# KiCad board ASP-K8071.kicad_pcb (continued)
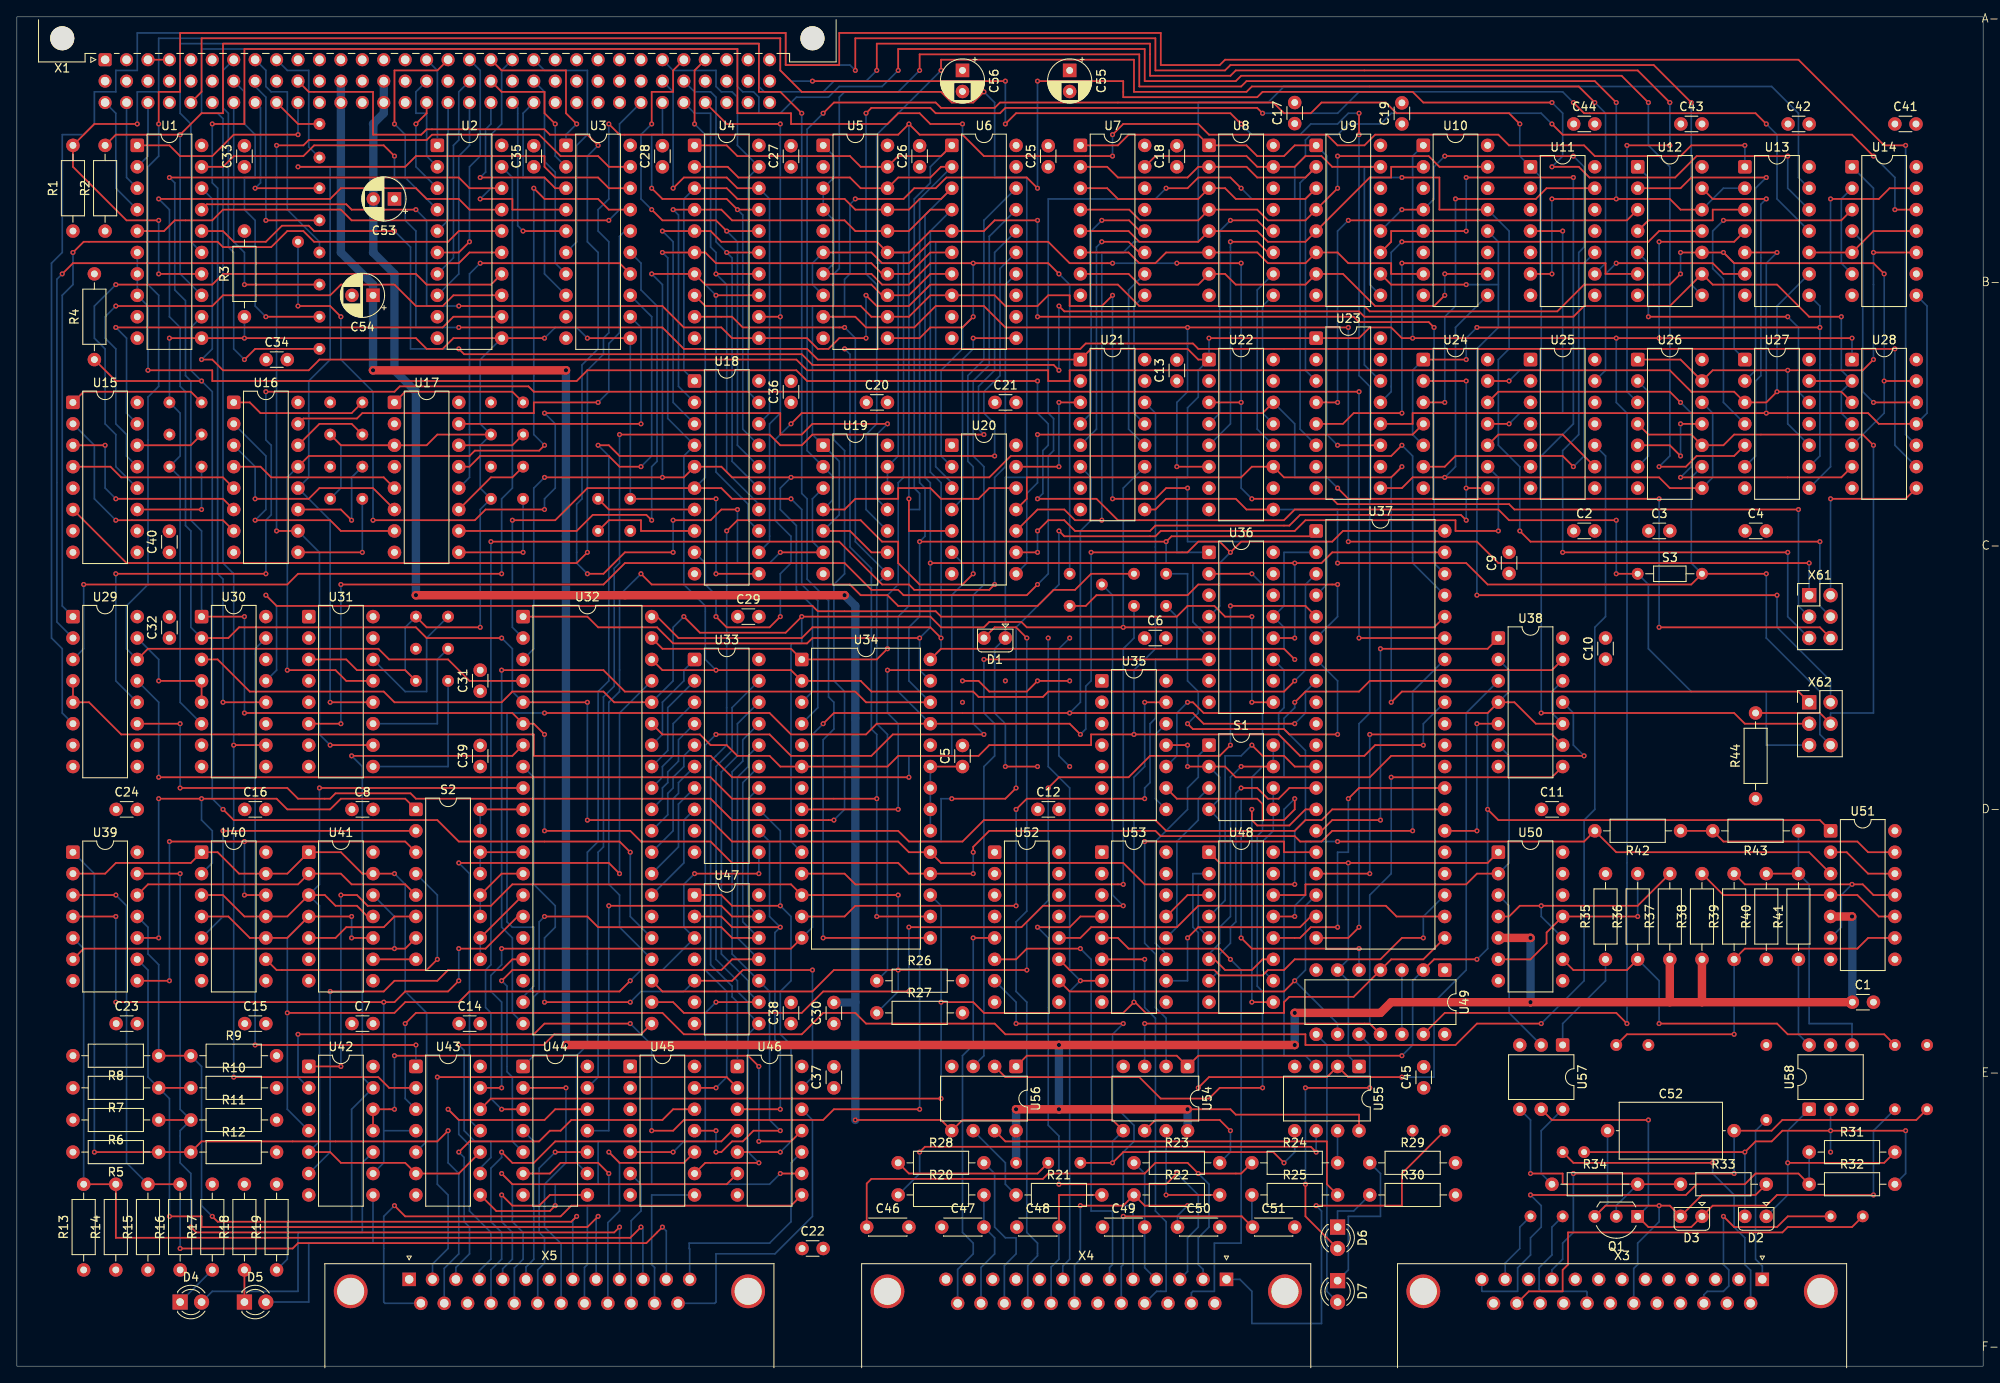
[diagram p0: board, top side]
## Routing (per net, layer and track width the routed paths; a pad name or vN(x,y) marks a point on that pad's centre or on a via; arc(x,y) is an arc through that point) (continued)
ADR3: length 97.7
  Top w0.2: v1(6.64,132.06) 7.91,133.33 23.79,133.33 24.42,132.69 30.14,132.69 32.05,134.6 33.95,134.6 35.22,133.33 51.09,133.33 52.36,134.6 U2.16
  Bottom w0.2: v1(6.64,132.06) 6.64,128.25 5.38,126.98 5.38,90.15 U29.1
ADR4: length 97.4
  Top w0.2: U2.15 53.64,132.06 52.36,130.79 6.64,130.79 v1(5.38,129.52)
  Bottom w0.2: v1(5.38,129.52) 4.74,128.88 4.74,88.24 U29.2
ADR5: length 74.6
  Top w0.2: v1(11.73,128.25) 23.16,128.25 24.42,129.52 47.28,129.52 48.55,128.25 56.18,128.25 U2.14
  Bottom w0.2: U15.12 11.73,106.66 11.73,110.47 10.45,111.74 10.45,120.63 9.19,121.9 9.19,125.71 v1(11.73,128.25)
ADR6: length 69.5
  Top w0.2: v1(11.73,125.71) 23.16,125.71 24.42,126.98 37.12,126.98 38.39,128.25 44.75,128.25 47.28,125.71 50.46,125.71 51.73,126.98 U2.13
  Bottom w0.2: v1(11.73,125.71) 10.45,124.44 10.45,121.9 11.73,120.63 11.73,111.74 12.99,110.47 12.99,107.93 U15.13
ADR7: length 58.7
  Top w0.2: v1(11.73,123.17) 50.46,123.17 51.73,124.44 U2.12
  Bottom w0.2: U15.15 12.99,113.01 12.99,121.9 v1(11.73,123.17)
ADR8: length 124.3
  Top w0.2: U3.19 70.14,142.22 68.88,143.49 64.43,143.49 61.89,146.03 49.19,146.03 48.55,145.39 34.58,145.39 33.95,144.76 v1(30.78,144.76) ; U16.10 v1(30.78,99.04) ; v1(37.12,73.64) U31.10
  Bottom w0.2: v1(37.12,73.64) 35.86,74.91 35.86,96.5 U16.10 ; v1(30.78,99.04) v1(30.78,144.76)
ADR9: length 117.8
  Top w0.2: U3.18 70.14,139.68 68.88,140.95 63.8,140.95 62.53,142.22 62.53,143.49 47.28,143.49 46.02,142.22 v1(33.31,142.22) ; v1(37.12,78.72) U31.12
  Bottom w0.2: v1(33.31,142.22) 37.12,142.22 37.12,119.36 34.58,116.82 34.58,105.39 U16.12 37.12,100.31 v1(37.12,78.72)
ADRA: length 109.1
  Top w0.2: U16.13 34.58,107.93 53.64,107.93 54.27,108.56 61.89,108.56 v1(62.53,109.2) ; v1(32.05,82.53) 37.76,82.53 39.03,81.26 U31.13 ; v1(61.25,139.68) 62.53,138.41 68.88,138.41 70.14,137.14 U3.17
  Bottom w0.2: v1(62.53,109.2) 61.25,110.47 v1(61.25,139.68) ; v1(32.05,82.53) 32.05,105.39 U16.13
ADRB: length 59.6
  Top w0.2: v1(68.88,114.28) 61.25,114.28 61.25,113.01 40.94,113.01 40.3,112.38 33.95,112.38 U16.15
  Bottom w0.2: U3.16 72.05,134.6 71.41,133.97 71.41,122.53 70.14,121.27 70.14,115.55 v1(68.88,114.28)
ADRC: length 57.2
  Top w0.2: v1(75.22,100.31) 74.59,100.94 68.24,100.94 66.33,99.04 U17.10
  Bottom w0.2: U3.15 73.95,130.8 73.95,127.61 75.86,125.71 75.86,107.3 75.22,106.66 v1(75.22,100.31)
ADRD: length 46
  Top w0.2: U3.14 71.42,130.79 v1(54.91,130.79)
  Bottom w0.2: v1(54.91,130.79) 53.64,129.52 53.64,105.39 U17.12
ADRE: length 44.5
  Top w0.2: v1(73.95,106.66) 71.41,106.66 70.14,107.93 54.91,107.93 53.64,106.66 U17.13
  Bottom w0.2: v1(73.95,106.66) 75.22,107.93 75.22,124.44 U3.13
ADRF: length 34.8
  Top w0.2: U17.15 v1(73.95,111.74)
  Bottom w0.2: U3.12 73.95,123.17 v1(73.95,111.74)
C52P2: length 61.6
  Top w0.2: C52.2 207.94,27.92 209.21,29.19 225.09,29.19 X101.1 ; v1(184.44,22.84) v1(203.5,22.84)
  Bottom w0.2: X3.10 181.91,11.41 183.18,12.68 183.18,14.59 184.44,15.85 v1(184.44,22.84) ; C52.2 v1(203.5,22.84)
CTC_CS: length 313.9
  Top w0.2: v1(101.9,53.32) U34.16 ; v1(222.54,120.63) 140,120.63 139.36,121.27 126.66,121.27 126.03,120.63 v1(98.09,120.63) ; v1(101.9,67.29) 84.75,67.29 82.21,69.83 v1(16.8,69.83)
  Bottom w0.2: U28.9 222.54,109.2 v1(222.54,120.63) ; v1(98.09,120.63) 98.72,119.99 98.72,97.13 101.26,94.59 101.26,75.55 101.9,74.91 v1(101.9,67.29) v1(101.9,53.32) ; U29.13 16.8,78.72 v1(16.8,69.83)
D1A: length 87.1
  Top w0.2: v1(119.68,86.34) 118.41,87.61 115.87,87.61 D1.2
  Bottom w0.2: v1(119.68,86.34) 119.68,53.95 118.41,52.69 118.41,44.43 119.68,43.16 119.68,15.85 120.94,14.59 120.94,13.09 119.79,11.93 X4.22
D1K: length 198.5
  Top w0.2: v1(117.13,71.1) v1(120.94,71.1) ; v1(114.59,151.11) 113.32,149.84 110.78,149.84 109.51,151.11 93,151.11 90.47,153.65 90.47,157.46 21.89,157.46 21.89,151.11 X1.c5
  Bottom w0.2: v1(114.59,151.11) 115.87,149.84 115.87,140.95 119.68,140.95 119.68,105.39 117.13,105.39 D1.1 115.87,85.07 115.87,77.45 117.13,76.18 v1(117.13,71.1)
D2A: length 58.7
  Top w0.2: X109.1 v1(204.76,25.38) 206.03,26.65 207.94,26.65 209.21,27.92 v1(223.82,27.92)
  Bottom w0.2: U58.2 v1(214.92,27.92) v1(214.92,25.38) ; v1(223.82,27.92) 223.82,22.84 R32.2 ; D2.2 v1(204.76,25.38)
D2K: length 28
  Top w0.2: R31.2 221.28,24.11 v1(209.84,24.11)
  Bottom w0.2: U58.1 209.84,27.92 v1(209.84,24.11) 209.84,20.3 D2.1
DAT0: length 289.1
  Top w0.2: U6.1 109.52,143.49 104.44,143.49 104.44,143.49 103.17,142.22 99.99,142.22 98.72,143.49 85.38,143.49 84.12,144.76 U4.1 ; v1(62.53,77.45) 89.19,77.45 91.73,74.91 100.62,74.91 101.9,76.18 U34.25 124.75,76.18 v1(126.03,74.91) ; v1(127.29,96.5) 138.72,96.5 140,97.77 142.53,97.77 v1(143.81,96.5) 145.07,97.77 155.87,97.77 157.14,99.04 U37.40
  Bottom w0.2: v1(126.03,74.91) 126.66,75.55 126.66,80.62 127.29,81.26 v1(127.29,96.5) ; U6.1 110.78,144.76 108.25,142.22 108.25,140.31 106.34,138.41 106.34,104.12 106.97,103.48 106.97,101.58 105.71,101.58 105.71,90.15 104.44,88.88 104.44,79.99 U34.25 ; U32.19 59.98,43.79 61.25,45.06 61.25,52.05 58.72,52.05 58.08,52.69 58.08,77.45 v1(62.53,77.45) ; U36.4 142.53,90.15 142.53,95.23 v1(143.81,96.5)
DAT1: length 258
  Top w0.2: v1(57.44,82.53) 69.51,82.53 72.05,79.99 99.35,79.99 100.62,78.72 U34.26 ; U37.1 153.33,98.41 136.82,98.41 v1(136.19,97.77) v1(106.97,97.77) ; U4.2 84.23,142.22 85.5,140.95 98.72,140.95 99.99,139.68 103.17,139.68 103.17,139.69 104.44,140.95 108.25,140.95 109.51,142.22 U6.2
  Bottom w0.2: U34.26 105.71,81.26 105.71,87.61 106.97,88.88 v1(106.97,97.77) 107.61,98.41 107.61,104.12 106.97,104.75 106.97,138.41 U6.2 ; U36.5 139.36,88.24 139.36,95.23 136.19,95.23 v1(136.19,97.77) ; U32.20 58.72,41.89 58.72,50.78 57.44,52.05 v1(57.44,82.53)
DAT2: length 239
  Top w0.2: v1(151.43,86.34) U36.12 ; U6.3 109.52,138.41 106.97,138.41 105.71,137.14 99.35,137.14 98.09,138.41 85.38,138.41 84.12,139.68 U4.3 ; U37.39 155.87,96.5 154.6,95.23 v1(151.43,95.23) v1(108.25,95.23) ; U32.1 67.61,88.88 68.88,87.61 75.86,87.61 77.77,85.7 93.64,85.7 94.28,86.34 v1(106.97,86.34)
  Bottom w0.2: U34.27 106.97,82.53 v1(106.97,86.34) 108.25,87.61 v1(108.25,95.23) 108.25,104.75 107.61,105.39 107.61,136.5 107.62,136.5 U6.3 ; v1(151.43,95.23) v1(151.43,86.34) ; U4.3 79.04,138.41 79.03,138.41 79.03,118.09 U18.1
DAT3: length 213.2
  Top w0.2: v1(109.51,86.34) 108.25,87.61 94.28,87.61 93,86.34 78.4,86.34 75.86,88.88 U32.40 ; v1(151.43,83.8) 150.16,85.07 109.51,85.07 U34.28 ; v1(77.77,137.14) U4.4 83.48,137.14 84.75,135.87 98.09,135.87 99.35,134.6 105.71,134.6 108.25,137.14 U6.4
  Bottom w0.2: U34.28 109.51,85.07 v1(109.51,86.34) 109.51,104.75 108.25,106.02 108.25,134.59 U6.4 ; U18.2 78.4,116.19 78.4,136.5 v1(77.77,137.14) ; v1(151.43,83.8) 150.16,85.07 150.16,87.61 U36.13 150.16,90.15 150.16,96.5 U37.2
DAT4: length 239.4
  Top w0.2: v1(120.94,124.44) 158.41,124.44 159.04,123.8 167.3,123.8 v1(167.94,123.17) ; v1(120.94,135.87) 115.87,135.87 114.59,134.6 U6.5 108.25,134.6 105.71,132.06 103.17,132.06 101.9,133.33 83.48,133.33 82.21,134.6 U4.5 v1(76.5,134.6) ; v1(103.16,85.07) 101.9,83.8 U34.1 91.73,85.07 76.5,85.07 U32.39
  Bottom w0.2: v1(103.16,85.07) 103.16,91.42 104.44,92.69 104.44,104.75 105.07,105.39 105.07,132.06 103.17,132.06 ; U37.38 167.94,95.23 v1(167.94,123.17) ; U18.3 77.77,114.28 77.77,133.33 v1(76.5,134.6) ; v1(120.94,124.44) v1(120.94,135.87)
DAT5: length 182.2
  Top w0.2: U6.6 108.25,132.06 105.71,129.52 102.53,129.52 101.26,130.79 82.84,130.79 81.58,132.06 U4.6 v1(76.5,132.06) ; v1(151.43,81.26) 150.16,79.99 122.22,79.99 121.58,79.35 113.96,79.35 113.32,79.99 101.26,79.99 99.99,81.26 U34.2 91.73,82.53 v1(82.84,82.53) 76.5,82.53 U32.38
  Bottom w0.2: U37.3 152.69,92.69 152.69,82.53 v1(151.43,81.26) ; v1(76.5,132.06) 77.13,131.43 77.13,112.38 U18.4 79.03,107.93 79.03,92.69 81.58,90.15 81.58,83.8 v1(82.84,82.53)
DAT6: length 238.4
  Top w0.2: v1(164.12,109.2) 162.85,107.93 117.77,107.93 115.23,105.39 v1(91.73,105.39) 84.75,105.39 83.48,106.66 U18.5 79.03,105.39 v1(76.5,105.39) v1(62.53,105.39) ; v1(75.22,129.52) U4.7 81.58,128.25 101.26,128.25 102.53,126.98 105.71,126.98 108.25,129.52 U6.7
  Bottom w0.2: v1(75.22,129.52) 76.5,128.25 v1(76.5,105.39) ; U37.37 165.4,95.23 165.4,107.93 v1(164.12,109.2) ; U34.3 94.28,79.99 94.28,90.15 92.37,92.05 92.37,99.67 90.47,101.58 90.47,104.12 v1(91.73,105.39) ; U32.3 61.25,85.07 61.25,104.12 v1(62.53,105.39)
DAT7: length 220.1
  Top w0.2: v1(129.84,102.85) 134.91,102.85 136.19,104.12 v1(138.72,104.12) ; v1(129.84,126.98) 128.56,125.71 124.75,125.71 124.75,126.98 122.22,126.98 120.94,125.71 117.13,125.71 115.87,126.98 U6.8 108.25,126.98 105.71,124.44 105.7,124.44 103.18,124.44 103.17,124.44 101.26,124.44 99.99,125.71 81.58,125.71 U4.8 ; v1(58.72,100.31) 63.8,100.31 67.61,104.12 U18.6 83.48,104.12 84.75,102.85 v1(91.73,102.85)
  Bottom w0.2: v1(129.84,102.85) v1(129.84,126.98) ; U37.4 155.23,92.69 155.23,97.77 138.72,97.77 v1(138.72,104.12) ; v1(58.72,100.31) 58.72,87.61 U32.2 ; U4.8 81.58,125.72 81.58,105.39 U18.6 ; v1(91.73,102.85) 93,101.58 93,92.69 94.91,90.78 94.91,78.08 U34.4
H1: length 247.6
  Top w0.2: X142.1 v1(82.84,102.85) ; X157.1 49.83,110.47 48.55,109.2 U17.3 38.39,109.2 X177.1 ; U31.3 39.03,83.8 40.3,82.53 46.02,82.53 X164.1 ; v1(18.07,121.9) U1.11 v1(26.97,121.9) 47.28,121.9 48.55,120.63 50.46,120.63 51.73,121.9 U2.11 v1(62.53,121.9) ; v1(82.84,93.96) U18.11 ; v1(54.91,87.61) 48.55,87.61 X166.1 ; v1(67.61,121.9) U3.11
  Bottom w0.2: U30.6 19.34,78.72 19.34,105.39 X194.1 19.34,107.93 19.34,113.01 X196.1 v1(18.07,121.9) ; U3.11 72.69,102.85 X142.1 ; v1(62.53,121.9) 63.8,123.17 66.33,123.17 v1(67.61,121.9) ; X177.1 38.39,109.2 38.39,104.12 X175.1 ; R3.1 v1(26.97,121.9) ; X164.1 46.02,82.53 46.02,87.61 X166.1 ; v1(54.91,87.61) 54.91,101.58 X155.1 54.91,104.12 54.91,109.2 X157.1 54.91,111.74 54.91,119.35 U2.11 ; v1(82.84,102.85) v1(82.84,93.96)
PIO_CS: length 384.3
  Top w0.2: v1(223.82,144.76) 221.28,144.76 211.12,154.92 143.17,154.92 142.53,154.28 135.55,154.28 135.55,158.09 97.45,158.09 97.45,154.28 91.1,154.28 91.1,158.09 19.34,158.09 19.34,151.11 16.8,151.11 v1(16.8,147.3) ; U29.14 15.53,85.07 42.84,85.07 44.11,83.8 51.09,83.8 53.64,81.26 U32.4
  Bottom w0.2: U28.10 223.82,110.47 v1(223.82,144.76) ; v1(16.8,147.3) 16.8,143.49 15.53,142.22 15.53,128.25 16.8,126.98 16.8,116.19 15.53,114.91 15.53,92.69 12.99,90.15 12.99,85.07 U29.14
Q1B: length 32.1
  Top w0.2: R33.1 R34.2 183.18,21.57 183.18,22.84 v1(179.37,22.84)
  Bottom w0.2: U57.4 179.37,29.19 v1(179.37,22.84) ; R34.2 189.53,19.03 Q1.2
Q1C: length 66.4
  Top w0.2: v1(193.34,29.19) 181.91,29.19 U57.5 ; v1(220.01,20.3) 208.57,20.3 207.31,19.03 200.96,19.03 D3.1 198.41,16.49 193.34,16.49 Q1.1
  Bottom w0.2: v1(220.01,20.3) 220.01,27.92 X103.1 ; Q1.1 193.34,19.03 v1(193.34,29.19)
Q1E: length 46.6
  Top w0.2: R33.2 206.03,20.3 199.69,20.3 D3.2 195.88,19.03 v1(194.6,19.03) 188.25,19.03 Q1.3
  Bottom w0.2: C52.1 188.5,19.27 Q1.3 ; v1(194.6,19.03) 194.6,17.12 192.06,14.59 192.06,12.04 191.6,11.58 X3.19
R20P2: length 14
  Bottom w0.2: R20.2 C47.2 115.87,15.22 115.87,13.31 114.25,11.7 X4.24
R21P2: length 18.3
  Top w0.2: C48.2 123.48,20.3 R21.2
  Bottom w0.2: X4.21 122.56,11.75 123.48,12.68 C48.2
R22P1: length 28.7
  Top w0.2: v1(126.03,19.03) 131.1,19.03 R22.1 133.65,19.03 v1(138.72,19.03)
  Bottom w0.2: X4.20 125.33,11.98 126.03,12.68 v1(126.03,19.03) ; v1(138.72,19.03) 137.53,17.84 C50.1
R23P2: length 14.9
  Bottom w0.2: R23.1 133.65,22.84 C49.2 133.65,11.67 X4.4
R24P2: length 66.7
  Top w0.2: R24.1 145.07,22.84 v1(140,22.84) 138.72,24.11 134.91,24.11 133.65,22.84 122.22,22.84 121.58,22.2 101.26,22.2 100.71,21.65 C46.1
  Bottom w0.2: X4.2 140.56,11.47 140,12.04 140,15.22 141.26,16.49 141.26,21.57 v1(140,22.84)
R25P2: length 30.1
  Top w0.2: v1(131.1,17.76) 145.16,17.76 C51.1
  Bottom w0.2: v1(131.1,17.76) 131.1,12.04 130.87,11.81 X4.18 ; R25.1 146.34,16.57 C51.1
R28P1: length 18.8
  Top w0.2: X132.1 120.94,22.84 105.71,22.84 R28.1
R28P2: length 19.6
  Bottom w0.2: X4.23 117.02,11.93 118.41,13.31 118.41,15.22 117.13,15.22 115.87,16.49 115.87,22.84 R28.2
R31P1: length 57.2
  Top w0.2: R32.1 211.12,22.84 206.03,22.84 204.76,21.57 199.05,21.57 197.78,20.3 v1(179.37,20.3)
  Bottom w0.2: X3.13 173.59,8.92 173.65,8.87 177.84,8.87 177.84,11.66 179.37,13.19 179.37,15.22 180.63,16.49 180.63,19.03 v1(179.37,20.3) ; R32.1 R31.1
R34P1: length 10.5
  Bottom w0.2: R34.1 180.63,22.84 180.63,27.92 U57.6
R39P1: length 43.5
  Top w0.2: X107.1 190.79,39.35 v1(203.5,39.35) ; R39.1 204.76,49.51 218.1,49.51 219.37,50.78 U51.9
  Bottom w0.2: v1(203.5,39.35) R39.1
R41P2: length 10.7
  Bottom w0.2: R41.1 211.12,39.35 U58.6
R43P1: length 34.8
  Top w0.2: R40.2 R41.2
  Bottom w0.2: U58.4 217.47,40.62 212.39,40.62 212.39,57.13 R41.2 R43.1
SIO_CS: length 225.6
  Top w0.2: v1(159.04,86.34) U37.35 ; v1(29.5,115.55) 44.75,115.55 45.38,116.19 60.62,116.19 61.25,115.55 v1(159.04,115.55) ; v1(11.73,93.96) v1(29.5,93.96)
  Bottom w0.2: v1(29.5,93.96) 29.5,100.31 30.14,100.94 30.14,109.2 29.5,109.83 v1(29.5,115.55) ; v1(11.73,93.96) 11.73,81.26 U29.12 ; v1(159.04,115.55) v1(159.04,86.34)
U1B1: length 239.2
  Top w0.2: U28.3 216.2,115.55 v1(208.57,115.55) 207.31,114.28 U27.3 203.5,115.55 198.41,115.55 195.88,118.09 124.75,118.09 124.75,116.82 122.22,116.82 122.22,118.09 93.64,118.09 92.37,119.36 35.86,119.36 34.58,118.09 24.42,118.09 23.16,119.36 v1(21.89,119.36)
  Bottom w0.2: v1(21.89,119.36) 23.16,120.63 23.16,138.41 U1.18 ; v1(208.57,115.55) 208.57,125.71 U13.9
U1B2: length 266.1
  Top w0.2: v1(100.62,126.98) 101.9,125.71 105.71,125.71 108.25,128.25 130.47,128.25 133.01,125.71 159.68,125.71 160.31,125.08 182.54,125.08 185.72,128.25 195.88,128.25 v1(197.15,129.52) ; v1(197.15,132.06) U12.10 v1(202.22,132.06) 203.5,130.79 220.01,130.79 v1(221.28,129.52) ; v1(221.28,116.82) U28.13 ; v1(100.62,121.9) 97.45,121.9 96.18,120.63 94.91,120.63 93.64,121.9 U4.11 84.75,121.9 83.48,123.17 79.03,123.17 76.5,125.71 v1(52.36,125.71) ; v1(47.28,137.14) 39.66,137.14 39.03,137.77 22.52,137.77 21.89,137.14 U1.17
  Bottom w0.2: v1(100.62,121.9) v1(100.62,126.98) ; v1(52.36,125.71) 48.55,125.71 48.55,135.87 v1(47.28,137.14) ; v1(197.15,132.06) v1(197.15,129.52) ; v1(221.28,129.52) v1(221.28,116.82) 221.28,113.01 U28.5 ; U27.1 203.5,120.63 203.5,130.79 v1(202.22,132.06)
U1B3: length 241.5
  Top w0.2: U27.13 U28.2 ; v1(123.48,118.09) 122.85,118.72 94.28,118.72 93,119.99 53,119.99 v1(52.36,120.63) ; v1(123.48,125.71) 124.12,125.08 159.04,125.08 159.68,124.44 184.44,124.44 185.72,125.71 195.88,125.71 U12.9 200.96,128.25 208.57,128.25 212.39,124.44 v1(216.2,124.44) ; v1(44.75,134.6) 35.22,134.6 34.58,135.24 31.41,135.24 29.5,133.33 25.69,133.33 24.42,134.6 U1.16
  Bottom w0.2: v1(216.2,124.44) 216.2,118.09 U28.2 216.2,115.55 216.2,113.01 U28.4 ; v1(123.48,118.09) v1(123.48,125.71) ; v1(52.36,120.63) 46.65,120.63 46.65,132.69 v1(44.75,134.6)
U1B4: length 258.7
  Top w0.2: v1(195.88,149.84) 192.06,153.65 144.44,153.65 143.81,153.01 134.28,153.01 134.28,156.82 101.9,156.82 v1(101.9,153.65) ; v1(195.88,144.76) v1(190.79,144.76)
  Bottom w0.2: U26.3 190.79,115.55 v1(190.79,144.76) ; U1.15 20.62,133.33 20.61,133.33 20.61,147.3 19.34,148.57 19.34,156.82 87.93,156.82 87.93,151.75 88.56,151.11 95.54,151.11 96.81,152.38 100.62,152.38 v1(101.9,153.65) ; v1(195.88,149.84) v1(195.88,144.76)
U1B5: length 305.6
  Top w0.2: v1(159.04,52.05) 157.78,50.78 U37.20 ; U1.14 v1(16.8,129.52) ; v1(117.13,147.3) 118.41,148.57 143.81,148.57 v1(145.07,147.3) ; v1(94.28,152.38) v1(117.13,152.38) ; v1(14.27,147.3) 9.19,147.3 R1.2 6.64,142.22 12.99,135.87 v1(16.8,135.87) ; v1(159.04,148.57) v1(159.04,146.03)
  Bottom w0.2: v1(117.13,152.38) v1(117.13,147.3) ; v1(145.07,147.3) 146.34,146.03 152.06,146.03 153.33,147.3 156.5,147.3 157.78,148.57 v1(159.04,148.57) ; v1(159.04,52.05) 159.04,76.18 160.31,77.45 160.31,116.19 159.04,117.45 v1(159.04,146.03) ; v1(94.28,152.38) 91.73,152.38 90.47,153.65 90.47,157.46 16.8,157.46 16.8,151.11 14.27,151.11 v1(14.27,147.3) ; v1(16.8,129.52) v1(16.8,135.87)
U1B6: length 231.9
  Top w0.2: R2.2 11.73,146.03 v1(19.34,146.03) 21.89,148.57 24.42,148.57 24.42,156.82 87.93,156.82 87.93,151.11 90.47,151.11 v1(93,148.57) ; v1(95.54,50.78) U34.15
  Bottom w0.2: v1(19.34,146.03) 19.34,129.52 19.35,129.52 U1.13 ; v1(93,148.57) 93,103.48 93.64,102.85 93.64,93.33 96.18,90.78 96.18,79.35 96.81,78.72 96.81,75.55 95.54,74.27 v1(95.54,50.78)
U1B7: length 135.9
  Top w0.2: v1(21.89,116.82) 11.73,116.82 R4.1 ; v1(72.69,60.94) 71.41,62.21 52.36,62.21 49.83,64.75 25.69,64.75 v1(24.42,66.02)
  Bottom w0.2: v1(72.69,60.94) 72.69,53.32 U32.25 ; U1.12 20.62,123.17 20.61,123.17 20.61,118.09 v1(21.89,116.82) 23.16,115.55 23.16,67.29 v1(24.42,66.02)
U1CLK: length 119.9
  Top w0.2: U22.9 145.71,101.58 144.44,102.85 136.19,102.85 134.91,101.58 U21.9 ; v1(207.31,93.96) S3.2 198.41,92.69 174.28,92.69 171.75,95.23 v1(156.5,95.23)
  Bottom w0.2: v1(156.5,95.23) 156.5,101.58 U22.9 ; S3.2 198.41,95.23 198.41,105.39 U26.9 ; X62.6 213.66,74.91 213.66,79.99 207.31,86.34 v1(207.31,93.96)
U1CLK2: length 253.7
  Top w0.2: v1(120.94,116.82) 93.64,116.82 92.37,118.09 67.61,118.09 66.33,116.82 23.16,116.82 23.16,118.09 v1(15.53,118.09) ; v1(120.94,102.85) 127.93,102.85 130.47,100.31 150.16,100.31 151.43,101.58 175.56,101.58 176.82,100.31 v1(189.53,100.31) ; v1(189.53,93.96) S3.1
  Bottom w0.2: v1(120.94,102.85) 121.58,103.48 121.58,108.56 122.22,109.2 122.22,111.74 120.94,113.01 v1(120.94,116.82) ; U1.6 U1.8 15.53,125.72 v1(15.53,118.09) ; X62.5 207.31,73.64 207.31,79.99 198.41,79.99 193.34,85.07 193.34,92.69 S3.1 ; v1(189.53,100.31) v1(189.53,93.96)
U4CS: length 99.5
  Top w0.2: U4.9 84.75,124.44 86.02,123.17 v1(98.09,123.17)
  Bottom w0.2: R26.1 103.16,46.97 103.16,74.91 101.9,76.18 101.9,92.69 U19.8 99.35,97.77 99.35,121.9 v1(98.09,123.17)
U5CS: length 170.6
  Top w0.2: v1(157.78,123.17) v1(138.72,123.17) 117.13,123.17 114.59,125.71 108.88,125.71 106.34,123.17 100.62,123.17 99.35,124.44 U5.9 ; v1(137.46,106.66) U22.6 ; v1(157.78,97.77) 173.01,97.77 175.56,95.23 v1(212.39,95.23)
  Bottom w0.2: v1(212.39,95.23) X61.1 ; v1(138.72,123.17) 138.72,115.55 137.46,114.28 v1(137.46,106.66) ; v1(157.78,123.17) v1(157.78,97.77)
U5I5: length 169.1
  Top w0.2: v1(137.46,130.79) v1(145.07,130.79) ; v1(129.84,130.79) 124.75,130.79 122.22,133.33 108.25,133.33 105.71,130.79 102.53,130.79 101.26,132.06 U5.6 ; v1(211.12,101.58) 177.46,101.58 176.82,102.22 156.5,102.22 155.87,102.85 v1(146.34,102.85) ; v1(145.07,114.28) U22.3
  Bottom w0.2: v1(145.07,130.79) v1(145.07,114.28) 145.07,104.12 v1(146.34,102.85) ; v1(211.12,101.58) 211.12,90.15 X61.3 ; U5.6 94.28,130.78 94.28,128.25 94.28,128.25 U5.8 ; v1(129.84,130.79) v1(137.46,130.79)
U7A0: length 46.6
  Top w0.2: U7.5 131.74,134.6 133.01,133.33 140,133.33 U8.5 146.98,134.6 148.25,133.33 152.69,133.33 U9.5 160.31,140.95 162.85,140.95 162.85,142.22 U10.2
U7A1: length 44.5
  Top w0.2: U10.7 162.85,129.52 162.85,130.79 157.78,130.79 156.5,132.06 U9.6 152.69,130.79 148.25,130.79 146.98,132.06 U8.6 136.19,132.06 134.91,130.79 133.01,130.79 131.74,132.06 U7.6
U7A2: length 55
  Top w0.2: v1(169.21,126.98) 167.94,125.71 160.95,125.71 157.14,129.52 U9.7 152.69,128.25 144.44,128.25 143.17,129.52 U8.7 140,128.25 133.01,128.25 131.74,129.52 U7.7 ; v1(169.21,129.52) U10.10
  Bottom w0.2: v1(169.21,126.98) v1(169.21,129.52)
U7A3: length 55.7
  Top w0.2: U7.4 131.81,137.14 133.08,135.87 140,135.87 U8.4 146.98,137.14 148.25,135.87 152.69,135.87 U9.4 v1(156.5,139.68) ; v1(156.5,143.49) 167.3,143.49 168.57,142.22 U10.15
  Bottom w0.2: v1(156.5,139.68) v1(156.5,143.49)
U7A4: length 54
  Top w0.2: U7.3 129.2,139.68 130.47,138.41 140,138.41 U8.3 143.17,139.68 144.44,138.41 152.69,138.41 U9.3
  Bottom w0.2: U23.3 152.69,118.09 152.69,138.41 U9.3
U7A5: length 64.6
  Top w0.2: U9.2 152.69,140.95 146.98,140.95 145.71,142.22 U8.2 140,142.22 138.72,140.95 130.47,140.95 129.2,142.22 U7.2
  Bottom w0.2: U23.6 152.06,111.1 152.06,140.31 U9.2
U7A6: length 71.7
  Top w0.2: v1(156.5,109.2) U23.11 ; U9.1 151.43,144.76 150.16,143.49 146.98,143.49 145.71,144.76 U8.1 140,146.03 131.74,146.03 130.47,144.76 U7.1
  Bottom w0.2: v1(156.5,109.2) 155.23,110.47 155.23,143.49 U9.1
U7A7: length 58.1
  Top w0.2: U9.15 155.87,142.22 154.6,143.49 152.69,143.49 151.43,142.22 U8.15 146.98,142.22 145.71,143.49 134.91,143.49 134.91,143.49 U7.15
  Bottom w0.2: U23.14 159.68,118.72 159.68,142.22 U9.15
U10C: length 74.1
  Top w0.2: U23.9 164.12,104.12 165.4,105.39 v1(169.21,105.39) 194.6,105.39 195.88,104.12 U26.8
  Bottom w0.2: U26.8 200.96,105.39 200.96,113.01 U26.12 ; U10.9 170.47,123.17 170.47,106.66 v1(169.21,105.39)
U10D1: length 115.2
  Top w0.2: v1(164.12,137.14) U10.4 ; v1(183.18,96.5) v1(209.84,96.5) ; v1(169.21,143.49) v1(184.44,143.49)
  Bottom w0.2: v1(209.84,96.5) 209.84,88.88 X61.5 ; U10.4 167.94,138.41 167.94,142.22 v1(169.21,143.49) ; U9.12 v1(164.12,137.14) ; v1(184.44,143.49) 185.72,142.22 185.72,132.69 185.08,132.06 185.08,110.47 183.18,108.56 v1(183.18,96.5)
U10D2: length 128.4
  Top w0.2: v1(171.75,140.95) v1(184.44,140.95) ; U9.11 162.85,133.33 162.85,134.6 U10.5 v1(171.75,134.6) ; X62.3 204.76,76.18 203.5,77.45 v1(180.63,77.45)
  Bottom w0.2: v1(180.63,77.45) 180.63,107.93 184.44,111.74 v1(184.44,140.95) ; v1(171.75,134.6) v1(171.75,140.95)
U10D3: length 110.1
  Top w0.2: v1(173.01,91.42) v1(208.57,91.42) ; U9.10 162.85,128.25 v1(171.75,128.25)
  Bottom w0.2: v1(208.57,91.42) 208.57,87.61 214.92,81.26 X62.2 ; 175.56,128.25 175.56,133.33 U10.12 ; 175.56,128.25 v1(171.75,128.25) ; 175.56,128.25 175.56,123.17 173.01,120.63 v1(173.01,91.42)
U10D4: length 118.5
  Top w0.2: v1(213.66,97.77) 179.37,97.77 v1(178.09,99.04) ; U10.13 168.57,137.14 168.57,140.95 v1(164.12,140.95)
  Bottom w0.2: v1(213.66,97.77) 213.66,90.15 X61.4 ; v1(178.09,99.04) 178.09,106.66 175.56,109.2 175.56,119.36 176.82,120.63 176.82,134.6 U10.13 ; U9.9 160.31,128.25 160.31,140.95 v1(164.12,140.95)
U11AQN: length 212.7
  Top w0.2: v1(189.53,149.84) 186.98,152.38 145.71,152.38 145.07,151.75 133.01,151.75 133.01,155.56 106.97,155.56 v1(106.97,153.65) ; U19.9 101.26,96.5 98.72,99.04 U19.5 ; v1(181.91,138.41) v1(189.53,138.41) 195.88,138.41 197.15,137.14 U12.12 ; U11.6 v1(181.91,129.52)
  Bottom w0.2: v1(189.53,149.84) v1(189.53,138.41) ; U12.12 202.22,139.68 U13.2 ; v1(106.97,153.65) 104.44,151.11 98.09,151.11 97.45,150.47 97.45,130.16 96.81,129.52 96.81,125.71 94.28,125.71 94.28,110.47 U19.1 97.45,107.3 97.45,100.94 U19.5 ; v1(181.91,138.41) v1(181.91,129.52)
U11AR: length 198
  Top w0.2: v1(178.09,147.3) 176.82,148.57 163.49,148.57 162.22,149.84 154.6,149.84 153.33,148.57 150.16,148.57 148.88,149.84 116.5,149.84 115.87,149.2 109.51,149.2 108.88,149.84 96.81,149.84 v1(95.54,148.57) ; U19.4 98.09,101.58 99.35,102.85 104.44,102.85 104.44,104.12 108.25,104.12 109.51,102.85 113.96,102.85 115.23,104.12 U20.12 ; U24.13 v1(176.82,116.82)
  Bottom w0.2: v1(95.54,148.57) 93.64,146.66 93.64,108.56 U19.2 96.65,105.56 96.65,102.68 U19.4 ; v1(176.82,116.82) 178.09,118.09 180.63,118.09 180.63,140.95 U11.1 178.09,143.49 v1(178.09,147.3)
U11BS: length 45.3
  Top w0.2: U24.6 169.21,106.66 170.47,107.93 183.18,107.93 v1(184.44,106.66)
  Bottom w0.2: v1(184.44,106.66) 185.72,107.93 185.72,130.79 U11.10
U12BQ: length 57.7
  Top w0.2: U12.6 188.25,129.52 188.25,130.79 v1(164.12,130.79) ; U23.5 157.14,111.74 158.41,113.01 v1(164.12,113.01)
  Bottom w0.2: v1(164.12,130.79) v1(164.12,113.01)
U13AQ: length 23.2
  Top w0.2: U13.3 200.96,137.14 200.96,135.87 193.34,135.87 U12.4
  Bottom w0.2: U12.1 193.34,140.95 193.34,135.87 U12.4
U13BQ: length 30.8
  Top w0.2: v1(189.53,130.79) 200.96,130.79 202.22,129.52 U13.6
  Bottom w0.2: U25.13 188.25,118.09 188.25,129.52 v1(189.53,130.79)
U13CQ: length 82.6
  Top w0.2: v1(213.66,123.17) v1(173.01,123.17) ; v1(171.75,119.36) U24.1
  Bottom w0.2: U24.5 165.4,110.47 165.4,118.09 U24.1 ; v1(171.75,119.36) 171.75,121.9 v1(173.01,123.17) ; U13.8 213.66,125.71 v1(213.66,123.17) 213.66,107.93 U27.9
U13I2: length 154.6
  Top w0.2: U20.10 120.94,101.58 124.12,101.58 125.39,100.31 v1(128.56,100.31)
  Bottom w0.2: v1(128.56,100.31) 128.56,132.06 131.1,132.06 132.38,133.33 140,133.33 140,149.84 148.25,149.84 150.16,151.75 207.94,151.75 211.12,148.57 211.12,140.95 U13.13
U14AC: length 42
  Top w0.2: v1(202.22,135.87) 216.2,135.87 U14.3
  Bottom w0.2: v1(202.22,135.87) 200.96,134.6 200.96,130.16 202.22,128.88 202.22,114.28 U27.4
U14AQ: length 13.8
  Top w0.2: U13.10 U14.5 220.01,134.6 U14.11
U14AR: length 69
  Top w0.2: v1(220.01,132.06) U14.10 ; v1(220.01,119.36) 218.73,118.09 v1(209.84,118.09) 200.96,118.09 U26.13 197.15,119.36 U26.1
  Bottom w0.2: v1(209.84,118.09) 209.84,111.74 U27.10 ; U14.1 220.01,139.68 v1(220.01,132.06) v1(220.01,119.36)
U14AS: length 26.5
  Top w0.2: v1(220.01,114.28) U28.12
  Bottom w0.2: U14.4 218.73,133.33 218.73,115.55 v1(220.01,114.28)
U15BQN: length 105
  Top w0.2: U23.12 165.4,111.74 165.4,113.01 v1(207.31,113.01) 219.37,113.01 220.64,111.74 U28.11 ; v1(208.57,132.06) U13.5